# Altium PCB 28Pins_Project_1.1_PCB.PcbDoc (part 1 of 2) (continued)
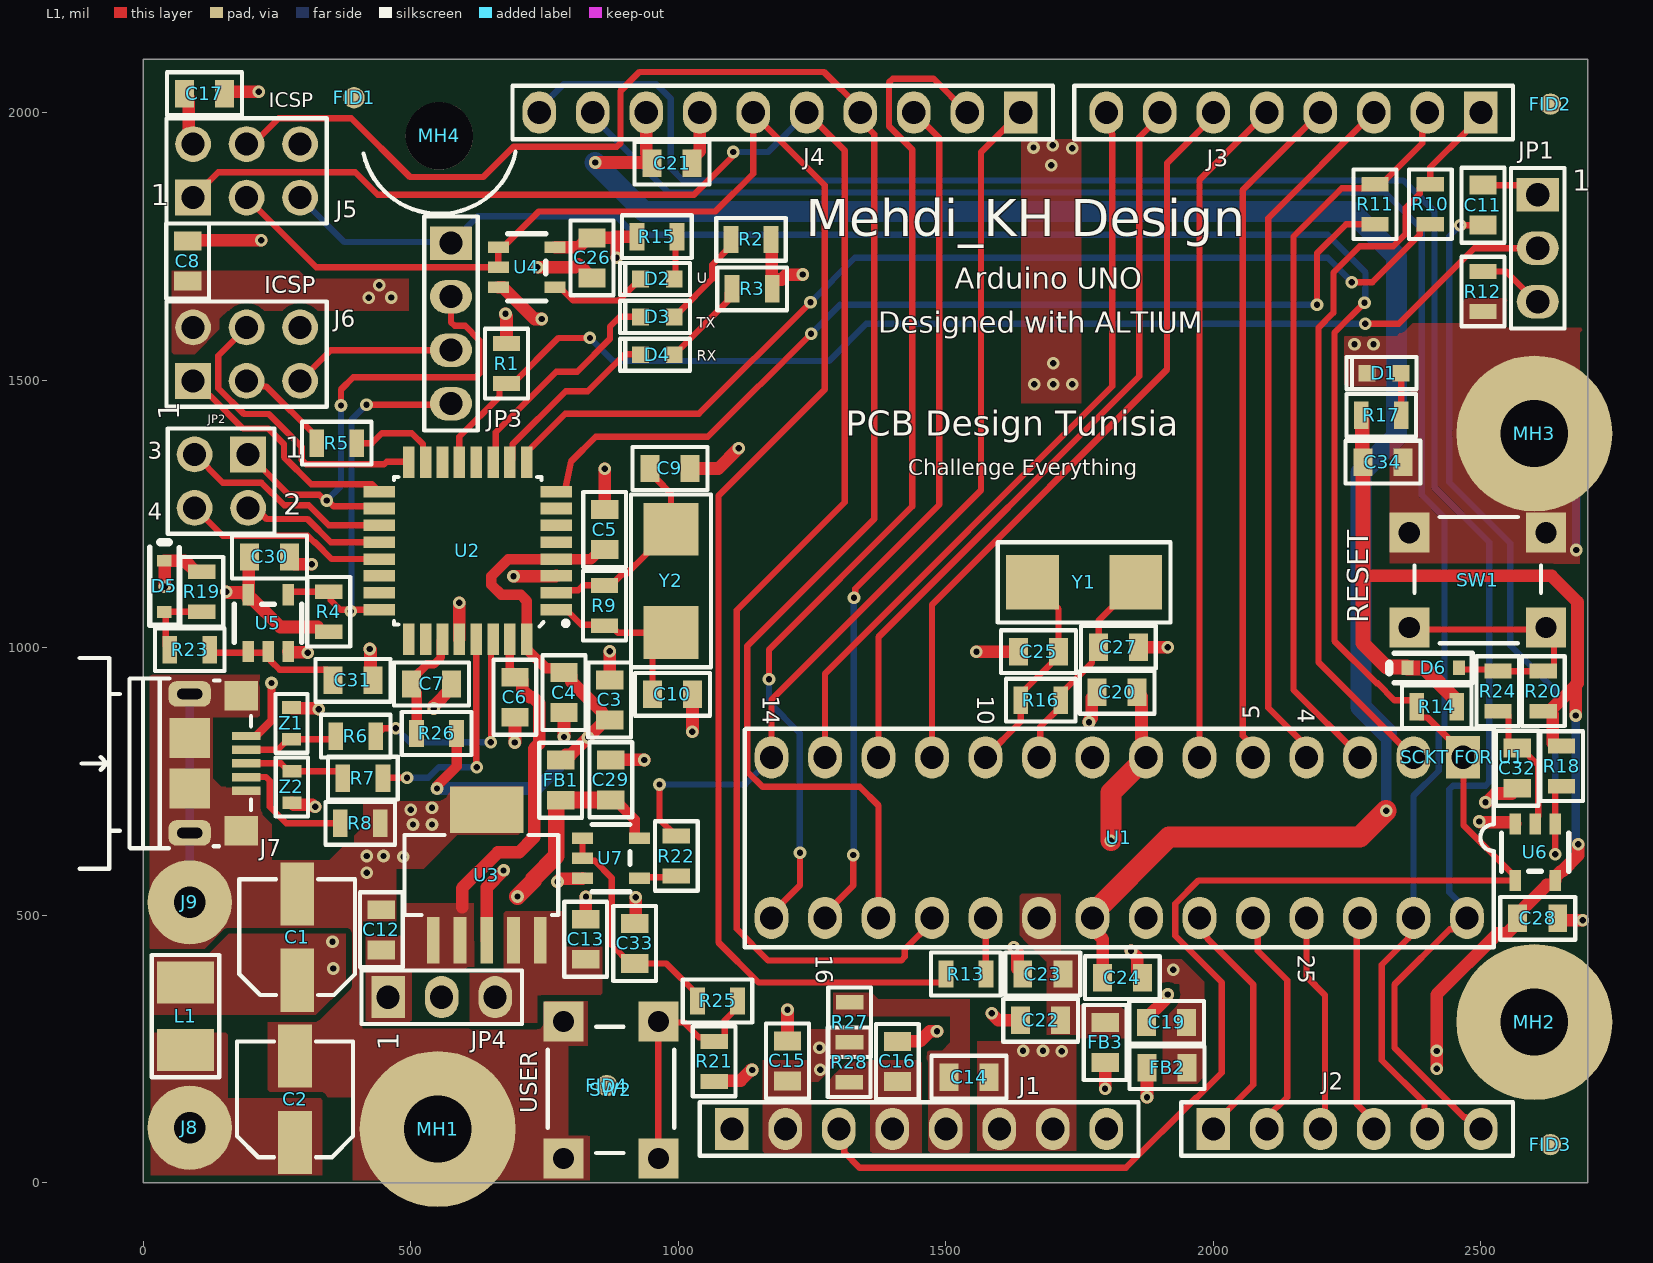
[diagram p0: L1 view]
## Part data (continued)
R2 R3 R15 R17 R22: library part RC0805FR-07560RL, "Surface Mount Thick Film Resistor, RC Series, 560 ohm, 125 mW, - 1%, 150 V, 0805 [2012 Metric]", Case Code (Imperial)=0805, Case Code (Metric)=2012, Manufacturer=Yageo, Max Operating Temperature=155°C, Max Power Dissipation=125mW, Min Operating Temperature=-55°C, Package Quantity=1, Resistance=560R, Supplier Part Number 1=311-560CRCT-ND, Temperature Coefficient=100ppm/°C, Tolerance=1%, Voltage Rating=150V, Case/Package=0805, Category="Chip SMD Resistors", ComponentLink1Description=https://datasheet.ciiva.com/5561/rc0805-5561861.pdf?src-supplier=Mouser, ComponentLink1URL=https://datasheet.ciiva.com/5561/rc0805-5561861.pdf?src-supplier=Mouser, ComponentLink2Description=https://datasheet.ciiva.com/2457/pyu-r-int-thick-7-2457140.pdf?src-supplier=Digi-Key, ComponentLink2URL=https://datasheet.ciiva.com/2457/pyu-r-int-thick-7-2457140.pdf?src-supplier=Digi-Key, ComponentLink3Description=https://datasheet.ciiva.com/2457/pyu-r-int-thick-7-2457141.pdf?src-supplier=Digi-Key, ComponentLink3URL=https://datasheet.ciiva.com/2457/pyu-r-int-thick-7-2457141.pdf?src-supplier=Digi-Key, ComponentLink4Description=https://datasheet.ciiva.com/7941/444164-7941813.pdf?src-supplier=Element14, ComponentLink4URL=https://datasheet.ciiva.com/7941/444164-7941813.pdf?src-supplier=Element14, ComponentLink5Description=https://datasheet.ciiva.com/2457/pyu-r-int-thick-7-2457142.pdf?src-supplier=Digi-Key, ComponentLink5URL=https://datasheet.ciiva.com/2457/pyu-r-int-thick-7-2457142.pdf?src-supplier=Digi-Key, ComponentLink6Description=https://datasheet.ciiva.com/7941/444164-7941814.pdf?src-supplier=Element14, ComponentLink6URL=https://datasheet.ciiva.com/7941/444164-7941814.pdf?src-supplier=Element14, Composition="Thick Film", Depth=1.25mm, Features="Moisture Resistant", Height=0.5mm, Lead Free="Lead Free", Length=2mm, Manufacturer Part Number=RC0805FR-07560RL, Military Standard=Not, Number of Terminations=2, Packaging="Tape and Reel", Power Rating=125mW, Pricing 1="1=0,10000, 10=0,03900, 100=0,01570, 1000=0,00705, 2500=0,00612 (USD)", REACH SVHC=Unknown, RoHS=Yes, Stock 1=80057, Supplier 1=Digi-Key, Termination=SMD/SMT, Weight=0.000194oz, Width=0.049inch
R4 R14 R18 R19 R20 R21: library part RC0805FR-0710KL, "RES SMD 10K OHM 1% 1/8W 0805", Case Code (Imperial)=0805, Case Code (Metric)=2012, Manufacturer=Yageo, Max Operating Temperature=155°C, Max Power Dissipation=125mW, Min Operating Temperature=-55°C, Package Quantity=1, Resistance=10kR, Supplier Part Number 1=311-10.0KCRDKR-ND, Temperature Coefficient=100ppm/°C, Tolerance=1%, Voltage Rating=150V, Case/Package=0805, Category="Chip SMD Resistors", ComponentLink1Description=https://datasheet.ciiva.com/11808/0900766b8106beab-11808151.pdf?src-supplier=RSComponents, ComponentLink1URL=https://datasheet.ciiva.com/11808/0900766b8106beab-11808151.pdf?src-supplier=RSComponents, ComponentLink2Description=https://datasheet.ciiva.com/12669/rc0805-12669688.pdf?src-supplier=Mouser, ComponentLink2URL=https://datasheet.ciiva.com/12669/rc0805-12669688.pdf?src-supplier=Mouser, ComponentLink3Description=https://datasheet.ciiva.com/46447/444164-46447563.pdf?src-supplier=Element14, ComponentLink3URL=https://datasheet.ciiva.com/46447/444164-46447563.pdf?src-supplier=Element14, ComponentLink4Description=https://datasheet.ciiva.com/2456/pyu-r-int-thick-7-2456972.pdf?src-supplier=Digi-Key, ComponentLink4URL=https://datasheet.ciiva.com/2456/pyu-r-int-thick-7-2456972.pdf?src-supplier=Digi-Key, ComponentLink5Description=https://datasheet.ciiva.com/2456/pyu-r-int-thick-7-2456973.pdf?src-supplier=Digi-Key, ComponentLink5URL=https://datasheet.ciiva.com/2456/pyu-r-int-thick-7-2456973.pdf?src-supplier=Digi-Key, ComponentLink6Description=https://datasheet.ciiva.com/2456/pyu-r-int-thick-7-2456974.pdf?src-supplier=Digi-Key, ComponentLink6URL=https://datasheet.ciiva.com/2456/pyu-r-int-thick-7-2456974.pdf?src-supplier=Digi-Key, ComponentLink7Description=https://datasheet.ciiva.com/16747/rc0805-16747087.pdf?src-supplier=Future+Electronics, ComponentLink7URL=https://datasheet.ciiva.com/16747/rc0805-16747087.pdf?src-supplier=Future+Electronics, Composition="Thick Film", Depth=1.25mm, Features="Moisture Resistant", Height=0.024inch, Lead Free="Lead Free", Length=2mm, Manufacturer Part Number=RC0805FR-0710KL, Military Standard=Not, Number of Terminations=2, Packaging="Tape and Reel", Power Rating=125mW, Pricing 1="1=0,10000, 10=0,03900, 100=0,01570, 1000=0,00705, 2500=0,00612 (USD)", REACH SVHC=Unknown, RoHS=Yes, Stock 1=19610411, Supplier 1=Digi-Key, Termination=SMD/SMT, Width=0.049inch
R5 R6 R7 R13 R23 R24 R25: library part RC0805FR-0722RL, "RES SMD 22 OHM 1% 1/8W 0805", Case Code (Imperial)=0805, Case Code (Metric)=2012, Manufacturer=Yageo, Max Operating Temperature=155°C, Max Power Dissipation=125mW, Min Operating Temperature=-55°C, Package Quantity=1, Supplier Part Number 1=311-22.0CRCT-ND, Temperature Coefficient=100ppm/°C, Tolerance=1%, Voltage Rating=150V, Case/Package=0805, Category="Chip SMD Resistors", ComponentLink1Description=https://datasheet.ciiva.com/11819/0900766b8106beab-11819837.pdf?src-supplier=RSComponents, ComponentLink1URL=https://datasheet.ciiva.com/11819/0900766b8106beab-11819837.pdf?src-supplier=RSComponents, ComponentLink2Description=https://datasheet.ciiva.com/2457/pyu-r-int-thick-7-2457044.pdf?src-supplier=Digi-Key, ComponentLink2URL=https://datasheet.ciiva.com/2457/pyu-r-int-thick-7-2457044.pdf?src-supplier=Digi-Key, ComponentLink3Description=https://datasheet.ciiva.com/46447/444164-46447574.pdf?src-supplier=Element14, ComponentLink3URL=https://datasheet.ciiva.com/46447/444164-46447574.pdf?src-supplier=Element14, ComponentLink4Description=https://datasheet.ciiva.com/2457/pyu-r-int-thick-7-2457045.pdf?src-supplier=Digi-Key, ComponentLink4URL=https://datasheet.ciiva.com/2457/pyu-r-int-thick-7-2457045.pdf?src-supplier=Digi-Key, ComponentLink5Description=https://datasheet.ciiva.com/2457/pyu-r-int-thick-7-2457046.pdf?src-supplier=Digi-Key, ComponentLink5URL=https://datasheet.ciiva.com/2457/pyu-r-int-thick-7-2457046.pdf?src-supplier=Digi-Key, ComponentLink6Description=https://datasheet.ciiva.com/12667/rc0805-12667371.pdf?src-supplier=Mouser, ComponentLink6URL=https://datasheet.ciiva.com/12667/rc0805-12667371.pdf?src-supplier=Mouser, Composition="Thick Film", Depth=1.25mm, Features="Moisture Resistant", Height=0.024inch, Lead Free="Lead Free", Length=0.079inch, Manufacturer Part Number=RC0805FR-0722RL, Military Standard=Not, Number of Terminations=2, Packaging="Tape and Reel", Power Rating=125mW, Pricing 1="1=0,10000, 10=0,03900, 100=0,01570, 1000=0,00705, 2500=0,00612 (USD)", REACH SVHC=Unknown, Resistance=22R, RoHS=Yes, Stock 1=751147, Supplier 1=Digi-Key, Termination=SMD/SMT, Width=0.049inch, Working Voltage=150V
R8 R26 R27 R28: library part RC0805JR-070RL, "Surface Mount Thick Film Resistor, RC Series, 125 mW, - 5%, 150 V, 0805 [2012 Metric]", Case Code (Imperial)=0805, Case Code (Metric)=2012, Manufacturer=Yageo, Max Operating Temperature=155°C, Min Operating Temperature=-55°C, Power Rating=125mW, Resistance=0mR, Supplier Part Number 1=311-0.0ARCT-ND, Temperature Coefficient=200ppm/°C, Tolerance=5%, Voltage Rating=150V, Case/Package=0805, Category="Chip SMD Resistors", ComponentLink1Description=https://datasheet.ciiva.com/7941/1738694-7941861.pdf?src-supplier=Element14, ComponentLink1URL=https://datasheet.ciiva.com/7941/1738694-7941861.pdf?src-supplier=Element14, ComponentLink2Description=https://datasheet.ciiva.com/11819/0900766b8106beab-11819430.pdf?src-supplier=RSComponents, ComponentLink2URL=https://datasheet.ciiva.com/11819/0900766b8106beab-11819430.pdf?src-supplier=RSComponents, ComponentLink3Description=https://datasheet.ciiva.com/7941/1738694-7941862.pdf?src-supplier=Element14, ComponentLink3URL=https://datasheet.ciiva.com/7941/1738694-7941862.pdf?src-supplier=Element14, ComponentLink4Description=https://datasheet.ciiva.com/7941/1738694-7941863.pdf?src-supplier=Element14, ComponentLink4URL=https://datasheet.ciiva.com/7941/1738694-7941863.pdf?src-supplier=Element14, ComponentLink5Description=https://datasheet.ciiva.com/15190/getdatasheetpartid-330685-15190028.pdf?src-supplier=Verical, ComponentLink5URL=https://datasheet.ciiva.com/15190/getdatasheetpartid-330685-15190028.pdf?src-supplier=Verical, Composition="Thick Film", Contact Plating=Tin,Matte, Depth=1.25mm, Height=0.5mm, Lead Free="Lead Free", Length=2mm, Manufacturer Part Number=RC0805JR-070RL, Military Standard=Not, Number of Pins=2, Packaging="Tape and Reel", Pricing 1="1=0,10000, 10=0,03300, 25=0,02400, 50=0,01840, 100=0,01350, 250=0,01032, 500=0,00824, 1000=0,00607 (USD)", Radiation Hardening=No, REACH SVHC=Unknown, RoHS=Yes, Stock 1=6616205, Supplier 1=Digi-Key, Termination=SMD/SMT, Voltage Rating (DC)=150V, Width=1.25mm
R9 R16: library part RC0805FR-071ML, "Res Thick Film 0805 1M Ohm 1% 0.125W(1/8W) ±100ppm/C Epoxy SMD T/R", Case/Package=0805, Manufacturer="Yageo Phycomp", Max Operating Temperature=155°C, Min Operating Temperature=-55°C, Power Rating=125mW, Resistance=1MR, Supplier Part Number 1=311-1.00MCRDKR-ND, Temperature Coefficient=100ppm/°C, Tolerance=1%, Voltage Rating (DC)=150V, Category="Chip SMD Resistors", ComponentLink1Description=http://www.farnell.com/datasheets/2167052.pdf?src-supplier=Farnell, ComponentLink1URL=http://www.farnell.com/datasheets/2167052.pdf?src-supplier=Farnell, ComponentLink2Description=http://www.mouser.com/ds/2/447/Yageo_08112016_RC0805-968729.pdf?src-supplier=Mouser, ComponentLink2URL=http://www.mouser.com/ds/2/447/Yageo_08112016_RC0805-968729.pdf?src-supplier=Mouser, ComponentLink3Description=http://www.farnell.com/datasheets/444164.pdf?src-supplier=Element14, ComponentLink3URL=http://www.farnell.com/datasheets/444164.pdf?src-supplier=Element14, ComponentLink4Description=http://www.farnell.com/datasheets/2167052.pdf?src-supplier=Newark, ComponentLink4URL=http://www.farnell.com/datasheets/2167052.pdf?src-supplier=Newark, ComponentLink5Description=http://www.yageo.com/documents/recent/PYu-RC_Group_51_RoHS_L_10.pdf?src-supplier=Digi-Key, ComponentLink5URL=http://www.yageo.com/documents/recent/PYu-RC_Group_51_RoHS_L_10.pdf?src-supplier=Digi-Key, Depth=1.25mm, Height=0.5mm, Lead Free="Lead Free", Length=2mm, Manufacturer Part Number=RC0805FR-071ML, Mount="Surface Mount", Number of Pins=2, Packaging="Cut Tape", Pricing 1="1=0,10000, 10=0,03900, 100=0,01570, 1000=0,00705, 2500=0,00612 (USD)", REACH SVHC="No SVHC", RoHS=Yes, Stock 1=3012562, Supplier 1=Digi-Key, Width=1.25mm
R10 R11 R12: library part RC0805FR-071KL, "RESISTOR, 0805 1K 1%, FULL REEL; Product Range:YAGEO - RC Series; Resistance:1kohm; Power Rating:125mW; Resistance Tolerance:± 1%; Resistor Case Style:0805 [2012 Metric]; Resistor Element Material:Thick Film; Temperature Coefficient:± 250ppm/°C; Voltage Rating:150V; Packaging:Tape & Reel; MSL:-; SVHC:No SVHC (16-Dec-2013); External Depth:0.55mm; External Length / Height:2mm; External Width:1.25mm; No. of Pins:2; Operating Temperature Max:155°C; Operating Temperature Min:-55°C; Operating Temperature Range:-55°C to +155°C; Reel Quantity:5000; Resistor Mounting:SMD; Series:RC12H; Temperature Coef", Case Code (Imperial)=0805, Case Code (Metric)=2012, Manufacturer=Yageo, Max Operating Temperature=155°C, Max Power Dissipation=125mW, Min Operating Temperature=-55°C, Package Quantity=1, Resistance=1kR, Supplier Part Number 1=311-1.00KCRCT-ND, Temperature Coefficient=100ppm/°C, Tolerance=1%, Voltage Rating=150V, Case/Package=0805, Category="Chip SMD Resistors", ComponentLink1Description=https://datasheet.ciiva.com/2456/pyu-r-int-thick-7-2456976.pdf?src-supplier=Digi-Key, ComponentLink1URL=https://datasheet.ciiva.com/2456/pyu-r-int-thick-7-2456976.pdf?src-supplier=Digi-Key, ComponentLink2Description=https://datasheet.ciiva.com/2456/pyu-r-int-thick-7-2456977.pdf?src-supplier=Digi-Key, ComponentLink2URL=https://datasheet.ciiva.com/2456/pyu-r-int-thick-7-2456977.pdf?src-supplier=Digi-Key, ComponentLink3Description=https://datasheet.ciiva.com/7941/1686128-7941719.pdf?src-supplier=Element14, ComponentLink3URL=https://datasheet.ciiva.com/7941/1686128-7941719.pdf?src-supplier=Element14, ComponentLink4Description=https://datasheet.ciiva.com/16850/rc0805-16850409.pdf?src-supplier=Future+Electronics, ComponentLink4URL=https://datasheet.ciiva.com/16850/rc0805-16850409.pdf?src-supplier=Future+Electronics, ComponentLink5Description=https://datasheet.ciiva.com/46385/444164-46385020.pdf?src-supplier=Element14, ComponentLink5URL=https://datasheet.ciiva.com/46385/444164-46385020.pdf?src-supplier=Element14, ComponentLink6Description=https://datasheet.ciiva.com/2456/pyu-r-int-thick-7-2456975.pdf?src-supplier=Digi-Key, ComponentLink6URL=https://datasheet.ciiva.com/2456/pyu-r-int-thick-7-2456975.pdf?src-supplier=Digi-Key, Composition="Thick Film", Depth=1.25mm, Features="Moisture Resistant", Height=0.024inch, Lead Free="Lead Free", Length=0.079inch, Manufacturer Part Number=RC0805FR-071KL, Military Standard=Not, Number of Pins=2, Number of Terminations=2, Packaging="Tape and Reel", Power Rating=125mW, Pricing 1="1=0,10000, 10=0,03900, 100=0,01570, 1000=0,00705, 2500=0,00612 (USD)", REACH SVHC=Unknown, RoHS=Yes, Stock 1=17484897, Supplier 1=Digi-Key, Termination=SMD/SMT, Voltage Rating (DC)=150V, Width=0.049inch
"SCKT FOR U1": library part 4828-3004-CP, "CONN IC DIP SOCKET 28POS TIN", Current Rating=1A, Insulation Resistance=5GR, Manufacturer=3M, Max Operating Temperature=85°C, Min Operating Temperature=-25°C, Package Quantity=5600, Supplier Part Number 1=3M5480-ND, Category=Connectors, ComponentLink1Description=https://datasheet.ciiva.com/768/ts1099-768354.pdf?src-supplier=Digi-Key, ComponentLink1URL=https://datasheet.ciiva.com/768/ts1099-768354.pdf?src-supplier=Digi-Key, Connector Type=DIP,Socket, Contact Material=Bronze, Contact Plating=Tin, Depth=5.08mm, Gender=Female, Housing Material=Glass, Lead Free="Lead Free", Length=35.43mm, Manufacturer Part Number=4828-3004-CP, Mount="Through Hole", Number of Contacts=28, Number of Positions=28, Number of Rows=2, Orientation=Straight, Pitch=2.54mm, Pricing 1="1=0,79000, 10=0,69300, 25=0,65240, 50=0,62540, 100=0,59820, 250=0,54380, 500=0,48942, 1000=0,43504, 2500=0,39426 (USD)", REACH SVHC=Unknown, RoHS=Yes, Row Spacing=7.62mm, Stock 1=4184, Supplier 1=Digi-Key, Termination=Solder, Width=10.16mm
SW1 SW2: library part 1825910-6, "SWITCH TACTILE SPST-NO 0.05A 24V", Contact Current Rating=50mA, Contact Resistance=100mR, Manufacturer="TE Connectivity Alcoswitch", Max Operating Temperature=85°C, Max Voltage Rating (DC)=24V, Min Operating Temperature=-35°C, Operating Force=160gf, Package Quantity=750, Supplier Part Number 1=450-1650-ND, Actuator Length=0.055inch, Actuator Material=PBT, Actuator Type=Standard, Category="Pushbutton Switches", ComponentLink1Description=https://datasheet.ciiva.com/30199/1825910-6rqpn1825910-6-30199520.pdf?src-supplier=Onlinecomponents.com, ComponentLink1URL=https://datasheet.ciiva.com/30199/1825910-6rqpn1825910-6-30199520.pdf?src-supplier=Onlinecomponents.com, ComponentLink2Description=https://datasheet.ciiva.com/15184/getdatasheetpartid-395915-15184509.pdf?src-supplier=Verical, ComponentLink2URL=https://datasheet.ciiva.com/15184/getdatasheetpartid-395915-15184509.pdf?src-supplier=Verical, Contact Material="Copper Alloy", Contact Plating=Silver, Electrical Life=100000Cycles, ELV=Compliant, Illumination Type=Non-Illuminated,Illuminated, Lead Free="Lead Free", Length=5.99mm, Manufacturer Part Number=1825910-6, Max Current Rating=50mA, Mechanical Life=100000Cycles, Mount="Through Hole", Orientation=Straight, Packaging="Loose Piece", Pricing 1="1=0,10000, 10=0,10100, 25=0,09560, 100=0,08700, 250=0,08180, 500=0,07484, 1000=0,06265, 2500=0,06092, 5000=0,05743 (USD)", REACH SVHC=Unknown, RoHS=Yes, Stock 1=97530, Supplier 1=Digi-Key, Switch Function=Off-Mom, Switch Travel=0.25mm, Termination="PC Pins", Throw Configuration=SPST, Type=Switch
U1: "ATMEGA328P-PU; 8 bit Microcontroller AVR 20MHz 1; 32kb Flash; 2kb RAM; I2C SPI 2", Case/Package=PDIP, Frequency=20MHz, Manufacturer="Microchip / Atmel", Max Operating Temperature=85°C, Max Supply Voltage=5.5V, Min Operating Temperature=-40°C, Min Supply Voltage=1.8V, Package Quantity=14, Supplier Part Number 1=ATMEGA328P-PU-ND, Category=Microcontrollers, ComponentLink1Description=https://datasheet.ciiva.com/20168/73-4283-20168380.pdf?src-supplier=Rapid+Electronics, ComponentLink1URL=https://datasheet.ciiva.com/20168/73-4283-20168380.pdf?src-supplier=Rapid+Electronics, ComponentLink2Description=https://datasheet.ciiva.com/19457/2139111-19457070.pdf?src-supplier=Jameco, ComponentLink2URL=https://datasheet.ciiva.com/19457/2139111-19457070.pdf?src-supplier=Jameco, ComponentLink3Description=https://datasheet.ciiva.com/1157/1684409-1157696.pdf?src-supplier=Element14, ComponentLink3URL=https://datasheet.ciiva.com/1157/1684409-1157696.pdf?src-supplier=Element14, ComponentLink4Description=https://datasheet.ciiva.com/26818/atmega328p-pu-26818578.pdf?src-supplier=IIIC, ComponentLink4URL=https://datasheet.ciiva.com/26818/atmega328p-pu-26818578.pdf?src-supplier=IIIC, ComponentLink5Description=https://datasheet.ciiva.com/29119/155197-da-01-en-microcontr-atmega328p-pu-8bit-pdip-28-29119593.pdf?src-supplier=Conrad, ComponentLink5URL=https://datasheet.ciiva.com/29119/155197-da-01-en-microcontr-atmega328p-pu-8bit-pdip-28-29119593.pdf?src-supplier=Conrad, ComponentLink6Description=https://datasheet.ciiva.com/15213/getdatasheetpartid-318533-15213133.pdf?src-supplier=Verical, ComponentLink6URL=https://datasheet.ciiva.com/15213/getdatasheetpartid-318533-15213133.pdf?src-supplier=Verical, Contact Plating=Tin,Matte, Core Architecture=AVR, Data Bus Width=8b, Height=3.28mm, Interface=I2C,SPI,UART,USART,2-Wire, Lead Free="Lead Free", Length=37.4mm, Manufacturer Part Number=ATMEGA328P-PU, Max Frequency=20MHz, Memory Size=32KB, Memory Type=FLASH, Mount="Through Hole", Number of ADC Channels=6, Number of I2C Channels=1, Number of I/Os=23, Number of Pins=28, Number of Programmable I/O=23, Number of PWM Channels=6, Number of SPI Channels=1, Number of Timers/Counters=3, Oscillator Type=Internal, Packaging=Rail/Tube, Peripherals="Brown-out Detect/Reset,POR,PWM,WDT", Pricing 1="1=2,08000, 25=1,91000, 100=1,73000 (USD)", Radiation Hardening=No, RAM Size=2KB, REACH SVHC="No SVHC", RoHS=Yes, Stock 1=5280, Supplier 1=Digi-Key, Watchdog Timer=Yes, Width=6.76mm
U2: "MICROCHIP - ATMEGA16U2-AU - MCU, 8BIT, MEGAAVR, 16MHZ, TQFP-32", Case/Package=A, Frequency=16MHz, Manufacturer="Microchip / Atmel", Max Operating Temperature=85°C, Max Supply Voltage=5.5V, Min Operating Temperature=-40°C, Min Supply Voltage=2.7V, Package Quantity=1250, Supplier Part Number 1=ATMEGA16U2-AU-ND, Category=Microcontrollers, ComponentLink1Description=https://datasheet.ciiva.com/13036/doc7799-28769-13036800.pdf?src-supplier=Mouser, ComponentLink1URL=https://datasheet.ciiva.com/13036/doc7799-28769-13036800.pdf?src-supplier=Mouser, ComponentLink2Description=https://datasheet.ciiva.com/22651/doc7799-22651110.pdf?src-supplier=Farnell, ComponentLink2URL=https://datasheet.ciiva.com/22651/doc7799-22651110.pdf?src-supplier=Farnell, Contact Plating=Tin,Matte, Core Architecture=AVR, Data Bus Width=8b, Height=1.05mm, Interface=SPI,UART,USB,USART,Serial, Lead Free="Lead Free", Length=7mm, Manufacturer Part Number=ATMEGA16U2-AU, Max Frequency=16MHz, Memory Size=16KB, Memory Type=FLASH, Mount="Surface Mount", Number of I/Os=22, Number of Pins=32, Number of Programmable I/O=22, Number of PWM Channels=5, Number of SPI Channels=1, Number of Timers/Counters=2, Oscillator Type=Internal, Packaging=Tray, Peripherals="Brown-out Detect/Reset,POR,PWM,WDT", Pricing 1="1=2,45000, 25=2,25000, 100=2,04000 (USD)", RAM Size=512B, REACH SVHC="No SVHC", RoHS=Yes, Stock 1=898, Supplier 1=Digi-Key, Watchdog Timer=Yes, Width=7mm
U3: "IC REG LINEAR 3.3V 1.5A SOT223-6", Case/Package=SOT-223, Dropout Voltage=340mV, Input Bias Current=1mA, Manufacturer="Texas Instruments", Max Input Voltage=20V, Max Operating Temperature=125°C, Max Output Current=1.5A, Max Output Voltage=3.3V, Min Current Limit=1.6A, Min Input Voltage=2.1V, Min Operating Temperature=-40°C, Package Quantity=1, Supplier Part Number 1=296-24534-1-ND, Accuracy=3%, Category="Voltage Regulators - Linear", ComponentLink1Description=https://datasheet.ciiva.com/2046/tl1963a-2046161.pdf?src-supplier=Digi-Key, ComponentLink1URL=https://datasheet.ciiva.com/2046/tl1963a-2046161.pdf?src-supplier=Digi-Key, ComponentLink2Description=https://datasheet.ciiva.com/2046/tl1963a-2046162.pdf?src-supplier=Digi-Key, ComponentLink2URL=https://datasheet.ciiva.com/2046/tl1963a-2046162.pdf?src-supplier=Digi-Key, ComponentLink3Description=https://datasheet.ciiva.com/2046/tl1963a-2046163.pdf?src-supplier=Digi-Key, ComponentLink3URL=https://datasheet.ciiva.com/2046/tl1963a-2046163.pdf?src-supplier=Digi-Key, ComponentLink4Description=https://datasheet.ciiva.com/26176/tl1963a-25-26176569.pdf?src-supplier=Avnet+Europe, ComponentLink4URL=https://datasheet.ciiva.com/26176/tl1963a-25-26176569.pdf?src-supplier=Avnet+Europe, Contact Plating=Gold, Lead Free="Lead Free", Manufacturer Part Number=TL1963A-33DCQR, Min Output Voltage=3.3V, Number of Outputs=1, Number of Pins=6, Number of Regulators=1, Output Current=1.5A, Output Type=Fixed, Output Voltage=3.3V, Packaging="Tape and Reel", Polarity=Positive, Pricing 1="1=2,80000, 10=2,51300, 25=2,37600, 100=1,95360, 250=1,75296, 500=1,68960, 1000=1,40448 (USD)", Quiescent Current=1mA, Radiation Hardening=No, RoHS=Yes, Stock 1=2996, Supplier 1=Digi-Key
U4 U5 U6 U7: library part SN74AHC1G09DBVR, "TEXAS INSTRUMENTS - SN74AHC1G09DBVR - AND Gate, 74AHC1G09, 2 Input, 2 V to 5.5 V, SOT-23-5", Case/Package=SOT-23, Low Level Output Current=8mA, Manufacturer="Texas Instruments", Max Operating Temperature=125°C, Max Supply Voltage=5.5V, Min Operating Temperature=-55°C, Min Supply Voltage=2V, Output Current=25mA, Package Quantity=3000, Quiescent Current=1uA, Supplier Part Number 1=296-29202-1-ND, Category="Logic Gates", ComponentLink1Description=https://datasheet.ciiva.com/1864/sn74ahc1g09-1864410.pdf?src-supplier=Digi-Key, ComponentLink1URL=https://datasheet.ciiva.com/1864/sn74ahc1g09-1864410.pdf?src-supplier=Digi-Key, ComponentLink2Description=https://datasheet.ciiva.com/1864/sn74ahc1g09-1864411.pdf?src-supplier=Digi-Key, ComponentLink2URL=https://datasheet.ciiva.com/1864/sn74ahc1g09-1864411.pdf?src-supplier=Digi-Key, ComponentLink3Description=https://datasheet.ciiva.com/1864/sn74ahc1g09-1864412.pdf?src-supplier=Digi-Key, ComponentLink3URL=https://datasheet.ciiva.com/1864/sn74ahc1g09-1864412.pdf?src-supplier=Digi-Key, Contact Plating=Tin,Matte, Lead Free="Lead Free", Logic Function=AND, Manufacturer Part Number=SN74AHC1G09DBVR, Mount="Surface Mount", Number of Bits=1, Number of Circuits=1, Number of Elements=1, Number of Gates=1, Number of Inputs=2, Number of Outputs=1, Number of Pins=5, Output Voltage=5.5V, Packaging="Tape and Reel", Pricing 1="1=0,32000, 10=0,24000, 25=0,21000, 100=0,13590, 250=0,11252, 500=0,09000, 1000=0,06900 (USD)", Propagation Delay=7.5ns, Radiation Hardening=No, REACH SVHC="No SVHC", RoHS=Yes, Stock 1=30722, Supplier 1=Digi-Key
Y1 Y2: "CRYSTAL 16.0000MHZ 18PF SMD", Case/Package=CSMD, ESR (Equivalent Series Resistance)=50R, Frequency=16MHz, Frequency Stability=30ppm, Frequency Tolerance=20ppm, Load Capacitance=18pF, Manufacturer=Abracon, Max Operating Temperature=85°C, Min Operating Temperature=-40°C, Package Quantity=1000, Supplier Part Number 1=535-9840-1-ND, Category=Crystals, ComponentLink1Description=https://datasheet.ciiva.com/15116/getdatasheetpartid-721624-15116835.pdf?src-supplier=Verical, ComponentLink1URL=https://datasheet.ciiva.com/15116/getdatasheetpartid-721624-15116835.pdf?src-supplier=Verical, ComponentLink2Description=https://datasheet.ciiva.com/22658/947971-22658293.pdf?src-supplier=Element14, ComponentLink2URL=https://datasheet.ciiva.com/22658/947971-22658293.pdf?src-supplier=Element14, ComponentLink3Description=https://datasheet.ciiva.com/5788/abm7-5788054.pdf?src-supplier=Farnell, ComponentLink3URL=https://datasheet.ciiva.com/5788/abm7-5788054.pdf?src-supplier=Farnell, ComponentLink4Description=https://datasheet.ciiva.com/7998/947971-7998600.pdf?src-supplier=Element14, ComponentLink4URL=https://datasheet.ciiva.com/7998/947971-7998600.pdf?src-supplier=Element14, ComponentLink5Description=https://datasheet.ciiva.com/46385/947971-46385243.pdf?src-supplier=Element14, ComponentLink5URL=https://datasheet.ciiva.com/46385/947971-46385243.pdf?src-supplier=Element14, ComponentLink6Description=https://datasheet.ciiva.com/16383/abm7-16383174.pdf?src-supplier=Future+Electronics, ComponentLink6URL=https://datasheet.ciiva.com/16383/abm7-16383174.pdf?src-supplier=Future+Electronics, ComponentLink7Description=https://datasheet.ciiva.com/18649/abm7-18649865.pdf?src-supplier=Digi-Key, ComponentLink7URL=https://datasheet.ciiva.com/18649/abm7-18649865.pdf?src-supplier=Digi-Key, ComponentLink8Description=https://datasheet.ciiva.com/18649/abm7-18649866.pdf?src-supplier=Digi-Key, ComponentLink8URL=https://datasheet.ciiva.com/18649/abm7-18649866.pdf?src-supplier=Digi-Key, ComponentLink9Description=https://datasheet.ciiva.com/18649/abm7-18649867.pdf?src-supplier=Digi-Key, ComponentLink9URL=https://datasheet.ciiva.com/18649/abm7-18649867.pdf?src-supplier=Digi-Key, ComponentLink10Description=https://datasheet.ciiva.com/26941/getdatasheetpartid-719818-26941724.pdf?src-supplier=Verical, ComponentLink10URL=https://datasheet.ciiva.com/26941/getdatasheetpartid-719818-26941724.pdf?src-supplier=Verical, Composition=Ceramic, Depth=3.5mm, Height=0.055inch, Lead Free="Lead Free", Length=6mm, Manufacturer Part Number=ABM7-16.000MHZ-D2Y-T, Mount="Surface Mount", Number of Pins=2, Packaging="Tape and Reel", Pricing 1="1=1,00000, 10=0,88600, 50=0,82780, 100=0,73150, 500=0,69300 (USD)", Radiation Hardening=No, REACH SVHC=Unknown, RoHS=Yes, Stock 1=61578, Supplier 1=Digi-Key, Termination=SMD/SMT, Tolerance=20ppm, Width=3.3mm
Z1 Z2: "VARISTOR 0603", Capacitance=0.5pF, Case Code (Imperial)=0603, Case Code (Metric)=1608, Clamping Voltage=20V, Current Rating=50nA, Manufacturer=Bourns, Max Operating Temperature=85°C, Max Voltage Rating (DC)=5V, Min Operating Temperature=-40°C, Package Quantity=1, Supplier Part Number 1=CG0603MLC-05ECT-ND, Voltage Rating (AC)=8V, Case/Package=0603, Category=Varistors, ComponentLink1Description=https://datasheet.ciiva.com/27747/1163231-27747629.pdf?src-supplier=Jameco, ComponentLink1URL=https://datasheet.ciiva.com/27747/1163231-27747629.pdf?src-supplier=Jameco, ComponentLink2Description=https://datasheet.ciiva.com/30070/mlc-30070503.pdf?src-supplier=Onlinecomponents.com, ComponentLink2URL=https://datasheet.ciiva.com/30070/mlc-30070503.pdf?src-supplier=Onlinecomponents.com, ComponentLink3Description=https://datasheet.ciiva.com/6991/mlc-6991832.pdf?src-supplier=Digi-Key, ComponentLink3URL=https://datasheet.ciiva.com/6991/mlc-6991832.pdf?src-supplier=Digi-Key, ComponentLink4Description=https://datasheet.ciiva.com/6991/mlc-6991834.pdf?src-supplier=Digi-Key, ComponentLink4URL=https://datasheet.ciiva.com/6991/mlc-6991834.pdf?src-supplier=Digi-Key, ComponentLink5Description=https://datasheet.ciiva.com/6991/mlc-6991836.pdf?src-supplier=Digi-Key, ComponentLink5URL=https://datasheet.ciiva.com/6991/mlc-6991836.pdf?src-supplier=Digi-Key, ComponentLink6Description=https://datasheet.ciiva.com/1278/1785244-1278701.pdf?src-supplier=Element14, ComponentLink6URL=https://datasheet.ciiva.com/1278/1785244-1278701.pdf?src-supplier=Element14, ComponentLink7Description=https://datasheet.ciiva.com/22696/1785244-22696318.pdf?src-supplier=Element14, ComponentLink7URL=https://datasheet.ciiva.com/22696/1785244-22696318.pdf?src-supplier=Element14, ComponentLink8Description=https://datasheet.ciiva.com/25958/mlc-25958222.pdf?src-supplier=Avnet+Europe, ComponentLink8URL=https://datasheet.ciiva.com/25958/mlc-25958222.pdf?src-supplier=Avnet+Europe, ComponentLink9Description=https://datasheet.ciiva.com/8084/mlc-8084047.pdf?src-supplier=Avnet, ComponentLink9URL=https://datasheet.ciiva.com/8084/mlc-8084047.pdf?src-supplier=Avnet, Contact Plating=Tin, Depth=0.8mm, Element Configuration=Single, Leakage Current=50nA, Length=1.6mm, Manufacturer Part Number=CG0603MLC-05E, Number of Channels=1, Number of Circuits=1, Number of Pins=2, Operating Supply Voltage=5V, Packaging="Tape and Reel", Pricing 1="1=0,10000, 25=0,06600, 100=0,06430 (USD)", Radiation Hardening=No, REACH SVHC="No SVHC", RoHS=Yes, Stock 1=111155, Supplier 1=Digi-Key, Termination=SMD/SMT, Thickness=0.8mm, Turn-On Delay Time=1ns, Voltage=5V, Voltage Rating (DC)=5V, Width=0.8mm, Working Voltage=5V

## Via types
v1: diameter 23.62, hole 11.81, L1 to L2, 100 vias
v2: diameter 23.62, hole 11.81, L1 to L2, tented both sides, 7 vias

## Nets (pads, with @x,y where several pads share a name; then routed paths per layer and width w, separated by ;. In a path a pad name is that pad's centre, name@x,y a point inside that pad or via, vN(x,y) a via of type N, cw(c..) or ccw(c..) an arc to the next point about the centre after c; other vN are vias at no path point)
16U2_16MHZ_XTAL1: C10.2 R9.1 U2.1 Y2.1 | length 361.8
  L1 w11.81: U2.1@771.65,1070.87 790.35,1070.87 818.5,1042.72 860.04,1042.72 R9.1@861.81,1040.94 873.62,1040.94 887.01,1027.56 Y2.1@985.83,1027.56 ; C10.2@951.57,912.6 951.57,993.31 Y2.1@985.83,1027.56 ; Y2.1@986.22,1027.95 Y2.1@985.83,1027.56
16U2_16MHZ_XTAL2: C9.2 R9.2 U2.2 Y2.2 | length 394.9
  L1 w11.81: U2.2@771.65,1102.36 776.57,1107.28 812.99,1107.28 821.85,1116.14 R9.2@861.42,1116.14 ; R9.2@861.81,1115.75 873.62,1115.75 894.33,1136.46 901.81,1136.46 940.94,1175.59 940.94,1177.56 984.25,1220.87 Y2.2@986.22,1220.87 986.22,1287.8 959.06,1314.96 958.66,1314.96 946.85,1326.77 C9.2@946.85,1334.65
16U2_BUF_RESETn: C31.2 R23.2 U5.1 U5.2 | length 268.9
  L1 w11.81: R23.2@124.02,996.06 129.92,990.16 193.41,990.16 U5.1@195.62,992.37 ; U5.1@195.62,990.16 230.81,990.16 U5.2@233.02,992.37 237.94,987.45 237.94,974.85 254.53,958.27 342.52,958.27 354.33,946.46 C31.2@354.33,938.58
16U2_HDR_RESETn: J6.5 JP3.3 | length 305.7
  L1 w11.81: J6.5@292.91,1498.43 350.39,1555.91 JP3.3@574.8,1555.91
16U2_MISO: J6.1 U2.17 | length 447.9
  L1 w11.81: J6.1@92.91,1498.43 120.47,1470.87 124.64,1470.87 186.05,1409.45 233.66,1409.45 262.8,1380.31 262.8,1356.22 313.97,1305.05 427.24,1305.05 U2.17@440.94,1291.34
16U2_MOSI: J6.4 U2.16 | length 567.1
  L1 w11.81: J6.4@192.91,1598.43 140.16,1545.67 140.16,1484.37 188.11,1436.42 234.53,1436.42 296.22,1374.73 296.22,1350.63 304.33,1342.52 449.8,1342.52 454.72,1347.44 495.08,1347.44 U2.16@496.06,1346.46
16U2_PB4: JP2.1 JP3.2 U2.18 | length 954.1
  L1 w11.81: JP2.1@195.67,1361.02 271.33,1285.36 328.86,1285.36 339.32,1274.9 344.58,1274.9 355.34,1264.14 436.65,1264.14 U2.18@440.94,1259.84 ; v1(369.29,1452.36) 369.29,1482.28 392.13,1505.12 621.03,1505.12 627.95,1512.04 627.95,1574.66 601.43,1601.18 581.72,1601.18 574.8,1608.1 JP3.2@574.8,1655.91
  L2 w11.81: v1(342.52,1274.9) 342.52,1275.01 369.29,1301.78 v1(369.29,1452.36)
16U2_PB5: JP2.3 U2.19 | length 400.2
  L1 w11.81: JP2.3@95.67,1361.02 148.43,1308.27 220.59,1308.27 263.18,1265.68 309.13,1265.68 346.46,1228.35 U2.19@440.94,1228.35
16U2_PB6: JP2.2 U2.20 | length 271.9
  L1 w11.81: JP2.2@195.67,1261.02 209.46,1261.02 230.15,1240.34 306.63,1240.34 350.11,1196.85 U2.20@440.94,1196.85
16U2_PB7: JP2.4 U2.21 | length 384.9
  L1 w11.81: JP2.4@95.67,1261.02 148.03,1208.66 307.4,1208.66 319.21,1196.85 320.66,1196.85 352.16,1165.35 U2.21@440.94,1165.35
16U2_RESETn: JP3.4 R4.1 U2.24 U5.4 | length 754
  L1 w11.81: U5.4@270.42,1098.67 270.42,1099.41 275.34,1104.33 R4.1@346.46,1104.33 350.39,1100.39 350.39,1088.58 368.11,1070.87 v1@387.8,1070.87 ; v1(387.8,1067.72) v1@387.8,1070.87 ; v1(416.95,1453.54) 572.44,1453.54 JP3.4@574.8,1455.91 ; U2.24@440.94,1070.87 v1@387.8,1070.87
  L2 w11.81: v1(387.8,1067.72) 388.98,1068.9 388.98,1425.57 v1(416.95,1453.54)
16U2_RX_LED: D4.1 U2.10 | length 344.7
  L1 w11.81: U2.10@685.04,1346.46 689.96,1351.38 689.96,1379.72 789.57,1479.33 830.71,1479.33 899.61,1548.23 928.15,1548.23 D4.1@929.13,1547.24
16U2_RXD: R11.1 U2.8 | length 1816.6
  L1 w11.81: U2.8@771.65,1291.34 787.63,1291.34 799.31,1347.73 845.28,1393.7 1055.12,1393.7 v1(1248.03,1586.61) ; v1(2193.7,1640.75) 2193.7,1737.01 2248.03,1791.34 R11.1@2302.17,1791.34
  L2 w11.81: v1(1248.03,1586.61) 1302.17,1640.75 v1(2193.7,1640.75)
16U2_SCLK: J6.3 R5.2 | length 186.1
  L1 w11.81: J6.3@192.91,1498.43 203.46,1487.88 229.64,1487.88 323.82,1393.7 R5.2@323.82,1381.89
16U2_SCLK_R: R5.1 U2.15 | length 175.7
  L1 w11.81: R5.1@398.62,1381.89 427.17,1381.89 445.87,1400.59 501.77,1400.59 522.64,1379.72 522.64,1351.38 U2.15@527.56,1346.46
16U2_TX_LED: D3.1 U2.11 | length 431.3
  L1 w11.81: U2.11@653.54,1346.46 658.46,1351.38 658.46,1402.56 771.65,1515.75 811.02,1515.75 872.05,1576.77 872.05,1599.38 890.78,1618.11 D3.1@929.13,1618.11
16U2_TXD: R10.1 U2.9 | length 1928.7
  L1 w11.81: U2.9@716.54,1346.46 716.54,1365.16 788.39,1437.01 1038.39,1437.01 v1(1247.05,1645.67) ; v1(2258.83,1683.08) 2297.25,1683.08 2385.83,1771.65 2385.83,1783.46 2393.7,1791.34 R10.1@2405.51,1791.34
  L2 w11.81: v1(1247.05,1645.67) 1329.72,1728.35 2213.62,1728.35 v1(2258.83,1683.08) v1(2258.83,1683.08)
16U2PROG_328P_RESETn: JP1.2 R1.2 U2.13 | length 2254.8
  L1 w11.81: U2.13@590.55,1346.46 590.55,1393.7 665.58,1468.73 665.58,1485.43 673.45,1493.31 690.55,1493.31 775.98,1578.74 v1(834.65,1578.74) ; v1(2283.68,1605.11) 2346.26,1605.11 2487.6,1746.46 JP1.2@2606.3,1746.46
  L2 w11.81: v1(834.65,1578.74) 877.95,1535.43 1281.5,1535.43 1351.18,1605.11 v1(2283.68,1605.11)
328P_16MHZ_XTAL1: C27.2 R16.1 U1.9 Y1.1 | length 400.9
  L1 w11.81: U1.9@1674.02,794.61 1676.5,797.09 1676.5,851.69 1714.57,889.76 R16.1@1714.57,901.57 ; R16.1@1712.6,903.54 1712.6,911.42 1773.23,972.05 1773.23,988.98 1785.43,1001.18 1785.43,1050.59 1854.72,1119.88 Y1.1@1854.72,1121.85
328P_16MHZ_XTAL2: C25.2 R16.2 U1.10 Y1.2 | length 404.1
  L1 w11.81: U1.10@1574.02,794.61 1574.02,795.47 1639.76,861.22 R16.2@1639.76,901.57 1647.64,909.45 1647.64,921.26 1710.63,984.25 1710.63,1072.05 1661.81,1120.87 Y1.2@1661.81,1121.85
328P_AUTORESETn: C11.1 R18.1 U6.1 | length 1443.7
  L1 w11.81: v1(2461.61,1789.37) C11.1@2503.94,1789.37 ; v1(2638.98,613.39) 2638.98,733.07 2646.85,740.94 R18.1@2650.79,740.94
  L2 w11.81: v1(2461.61,1789.37) 2440.94,1768.7 2440.94,1411.2 ccw(c2600,1400) 2440.94,1388.8 2440.94,1309.13 2555.12,1194.96 2555.12,1003.94 2638.98,920.08 v1(2638.98,613.39)
328P_BUF_RESETn: C32.2 R24.2 U6.2 | length 258.1
  L1 w11.81: R24.2@2531.89,881.1 2543.7,881.1 2551.57,873.23 2551.57,823.62 2563.39,811.81 2575.59,811.81 2607.09,780.31 2607.09,684.84 2601.57,679.33 U6.2@2601.57,670.47
328P_RESETn: J1.3 J5.5 JP3.1 R14.1 U1.1 U6.4 | length 5259.9
  L1 w11.81: J1.3@1300,100 1309.79,90.21 1309.79,56.35 1338.58,27.56 1836.52,27.56 1967.47,158.52 1968.85,158.52 2015.75,205.41 2015.75,374.02 1928.74,461.02 1928.74,521.23 1972.05,564.54 2563.81,564.54 U6.4@2564.17,564.17 2564.17,573.03 2559.25,577.95 2557.51,577.95 2467.52,667.94 2467.52,794.02 U1.1@2466.54,795 2466.54,802.87 2400.12,869.29 2387.8,869.29 2379.92,877.17 R14.1@2379.92,888.98 ; v1(2282.48,1644.69) 2282.48,1644.44 2226.25,1588.22 2226.25,1012.21 2305.39,933.07 2307.09,933.07 2338.41,901.74 2372.05,901.74 R14.1@2379.92,893.87
  L2 w11.81: J5.5@292.91,1840.94 375.98,1757.87 JP3.1@574.8,1757.87 ; JP3.1@574.8,1755.91 625.06,1806.17 884.06,1806.17 918.57,1771.65 2213.9,1771.65 2284.42,1701.14 2284.42,1672.48 2283.93,1671.99 2283.93,1646.14 v1(2282.48,1644.69)
+3V3: C13.2 C16.2 J1.4 JP4.3 R28.2 U3.4 U3.5
+3V3_16U2_UCAP: C7.2 R26.1 U2.27 | length 209.9
  L1 w15.75: C7.2@505.91,931.89 505.91,944.49 529.98,968.56 543,968.56 556.1,981.67 556.1,1012.8 U2.27@559.06,1015.75
  L1 w19.68: C7.2@501.18,931.89 501.18,924.02 510.63,914.57 R26.1@510.63,839.37
+5V: C2.1 C6.2 C12.2 C14.2 J1.5 J8.1 JP4.1 L1.2 R27.1 U2.31 U3.1 U3.2 | length 636.9
  L1 w15.75: C6.2@685.04,953.94 U2.31@685.04,1015.75
  L1 w23.62: JP4.1@444.88,359.06 JP4.1@457.48,346.46 ; 595.67,514.57 595.67,550.34 662.53,617.2 702.13,617.2 730.31,645.39 730.31,810.91 739.76,820.36 739.76,895.56 728.23,907.09 722.11,907.09 708.27,920.92 708.27,938.58 702.36,944.49 C6.2@694.49,944.49 C6.2@685.04,953.94 ; J1.5@1500,100 J1.5@1502.95,102.95
+5V/3V3: C8.2 C15.2 C17.2 C26.2 C28.2 C29.2 C30.2 C34.2 D5.1 D6.1 FB1.1 FB2.1 FB3.1 J1.2 J5.2 J6.2 JP4.2 R1.1 R2.2 R3.1 R4.2 R14.2 R15.2 R17.2 R18.2 R19.2 R20.2 R21.2 R27.2 R28.1 U4.5 U5.5 U6.5 U7.5 | length 3792.8
  L1 w19.68: C29.2@881.5,715.35 918.7,678.15 U7.5@918.7,646.65
  L1 w23.62: v1(40.16,1113.39) 39.76,1113.78 39.76,1161.78 D5.1@39.37,1162.17 77.22,1162.17 97.59,1141.8 R19.2@109.4,1141.8 ; C17.2@76.77,2035.43 84.84,2027.36 84.84,1949.02 J5.2@92.91,1940.94 ; v1(154.74,1104.4) 156.25,1102.89 192.67,1102.89 195.62,1099.94 U5.5@195.62,1098.67 ; C30.2@198.43,1169.29 197.02,1167.89 197.02,1100.07 U5.5@195.62,1098.67 ; R4.2@346.46,1029.53 334.65,1029.53 325.79,1038.39 255.91,1038.39 203.49,1090.8 196.6,1090.8 195.62,1091.78 U5.5@195.62,1098.67 ; v1(676.77,1623.62) 676.77,1621.49 678.74,1619.52 R1.1@678.74,1568.11 ; U4.5@769.69,1748.03 812.99,1748.03 C26.2@830.71,1765.75 ; FB1.1@779.92,714.57 FB1.1@780.31,714.96 ; C26.2@838.58,1765.75 C26.2@830.71,1765.75 ; C29.2@873.23,714.96 C29.2@873.62,715.35 C29.2@881.5,715.35 ; v1(884.47,1728.35) 884.47,1759.86 878.58,1765.75 ; R15.2@922.44,1768.11 922.05,1767.72 880.55,1767.72 878.58,1765.75 ; R21.2@1066.93,188.98 1068.5,190.54 1116.14,190.54 1135.83,210.24 v1(1137.96,210.24) ; R2.2@1173.23,1762.8 1174.21,1761.81 1174.21,1671.26 R3.1@1175.2,1670.28 1175.2,1682.09 1181.1,1687.99 1192.91,1687.99 1201.77,1696.85 1232.28,1696.85 v1(1232.68,1697.24) ; v1(1797.56,175.52) 1797.56,224.34 FB3.1@1797.64,224.41 ; v1(1875.98,159.45) FB2.1@1875.98,214.57 ; 2279.53,1136.83 2282.49,1133.86 2631.89,1133.86 2680.71,1085.04 2680.71,933.07 2677.56,929.92 ; v1(2417.32,212.6) 2417.32,351.17 2531.51,465.35 2548.32,465.35 2568.84,485.88 C28.2@2568.84,493.75 2568.84,501.63 2623.51,556.3 ; R20.2@2616.93,881.1 R20.2@2628.74,881.1 ; U6.5@2638.98,564.17 2638.98,571.06 2649.8,581.89 2652.02,581.89 2681.89,611.76 v1(2681.89,632.28) ; R18.2@2650.79,815.75 2640.55,815.75 2634.65,821.65 2634.65,875.2 R20.2@2628.74,881.1 ; v1(2677.56,872.83) 2677.56,929.92 ; C26.2@830.71,1765.75 878.58,1765.75 ; R20.2@2628.74,881.1 2677.56,929.92
  L1 w27.56: R17.2@2276.57,1434.06 2278.05,1432.58 2278.05,1347.93 C34.2@2279.53,1346.46 2279.53,1136.83 2279.53,1007.87 2323.9,963.5 2361.34,963.5 D6.1@2363.03,961.81 2393.7,961.81 2454.72,900.79 R14.2@2454.72,888.98
  L1 w31.5: v1(699.21,534.65) 729.28,564.71 729.28,567.57 771.65,609.95 771.65,712.6 773.62,714.57 FB1.1@779.92,714.57 ; FB1.1@780.31,714.96 C29.2@873.23,714.96
  L2 w15.75: J1.2@1200,115.75 J1.2@1200,100 J1.2@1202.36,102.36 ; v1(2677.56,872.83) 2677.56,638.74 2681.89,634.41 v1(2681.89,632.28)
  other v1: 462.99,1654.33
  other v2: 1265.3,210.75 2417.32,246 1263.78,251.97 421.26,1653.54 440.94,1677.17
+5V/3V3_16U2: C3.2 C4.2 C5.1 FB1.2 R26.2 U2.4 U2.32 | length 1184.9
  L1 w19.68: v1(548.82,736.61) 549.57,737.37 549.57,741.95 585.43,777.81 R26.2@585.43,839.37 ; C4.2@786.22,953.15 778.35,961.02 752.56,961.02 716.54,997.05 U2.32@716.54,1015.75 716.54,1086.89 705,1098.43 669.29,1098.43 650.46,1117.25 650.46,1133.56 682.26,1165.35 U2.4@771.65,1165.35 836.61,1165.35 854.33,1183.07 C5.1@862.2,1183.07
  L1 w23.62: FB1.2@779.92,789.37 789.76,799.21 798.43,799.21 v1(831.1,831.89) C3.2@863.78,864.57 ; C4.2@794.09,953.15 800,947.24 800,936.22 831.5,904.72 857.87,878.35 857.87,870.47 C3.2@863.78,864.57 ; C3.2@871.65,864.57 C3.2@863.78,864.57
  L2 w23.62: v1(548.82,736.61) 735.83,736.61 v1(831.1,831.89)
+5V/3V3_328P_AVCC: C22.2 C23.2 FB3.2 U1.20
+5V/3V3_328P_VCC: C19.2 C20.2 FB2.2 U1.7 | length 312.1
  L1 w23.62: C20.2@1857.48,916.14 1865.75,907.87 1865.75,802.87 U1.7@1874.02,794.61
  L1 w39.37: v1(1808.27,638.98) 1808.27,728.86 1854.33,774.92 1855.81,774.92 1874.02,793.12 U1.7@1874.02,794.61
  other v1: 1925.2,397.64
+5V_USB: C1.1 J7.1 L1.1 | length 131.9
  L1 w15.75: J7.1@191.93,834.65 210.63,834.65 239.44,863.45 v1(239.44,933.66)
  L2 w15.75: v1(353.54,450) v1@354.33,449.21 ; v1@354.33,400.79 v1(355.12,400)
+AREF: C21.2 C24.2 J4.8 U1.21 | length 3637.9
  L1 w23.62: v1(844.49,1906.5) 949.8,1906.5 C21.2@950.79,1905.51 950.79,1913.39 940,1924.17 J4.8@940,2000 ; U1.21@1774.02,510.24 1774.02,473.95 1793.31,454.66 1793.31,383.86 C24.2@1792.52,383.07
  L1 w39.37: U1.21@1774.02,494.61 1774.02,502.36 1917.32,645.67 2273.62,645.67 v1(2322.83,694.88)
  L2 w15.75: 2275.59,1010.88 2279.92,1006.55
  L2 w19.68: v1(2322.83,694.88) 2323.23,695.28 2323.23,841.03
  L2 w39.37: v1(844.49,1906.5) 936.02,1814.96 2258.26,1814.96 2342.52,1730.7 2342.52,1394.42 2275.59,1327.49 2275.59,1010.88 2275.59,888.67 2323.23,841.03
AD0: J2.1 U1.23 | length 467.3
  L1 w11.81: U1.23@1974.02,494.61 1974.02,472.88 1989.07,457.83 1989.07,455.81 2074.8,370.08 2074.8,182.68 2000,107.87 J2.1@2000,100
AD1: J2.2 U1.24 | length 436.7
  L1 w11.81: U1.24@2074.02,494.61 2082.68,485.94 2082.68,433.07 2137.8,377.95 2137.8,159.52 2100,121.72 J2.2@2100,100
AD2: J2.3 U1.25 | length 412.5
  L1 w11.81: U1.25@2174.02,494.61 2174.02,385.04 2208.66,350.39 2208.66,108.66 J2.3@2200,100
AD3: J2.4 U1.26 | length 410.6
  L1 w11.81: U1.26@2274.02,494.61 2267.72,488.31 2267.72,146.68 2300,114.4 J2.4@2300,100